# Altium PCB Archimajor.PcbDoc (part 8 of 12) (continued)
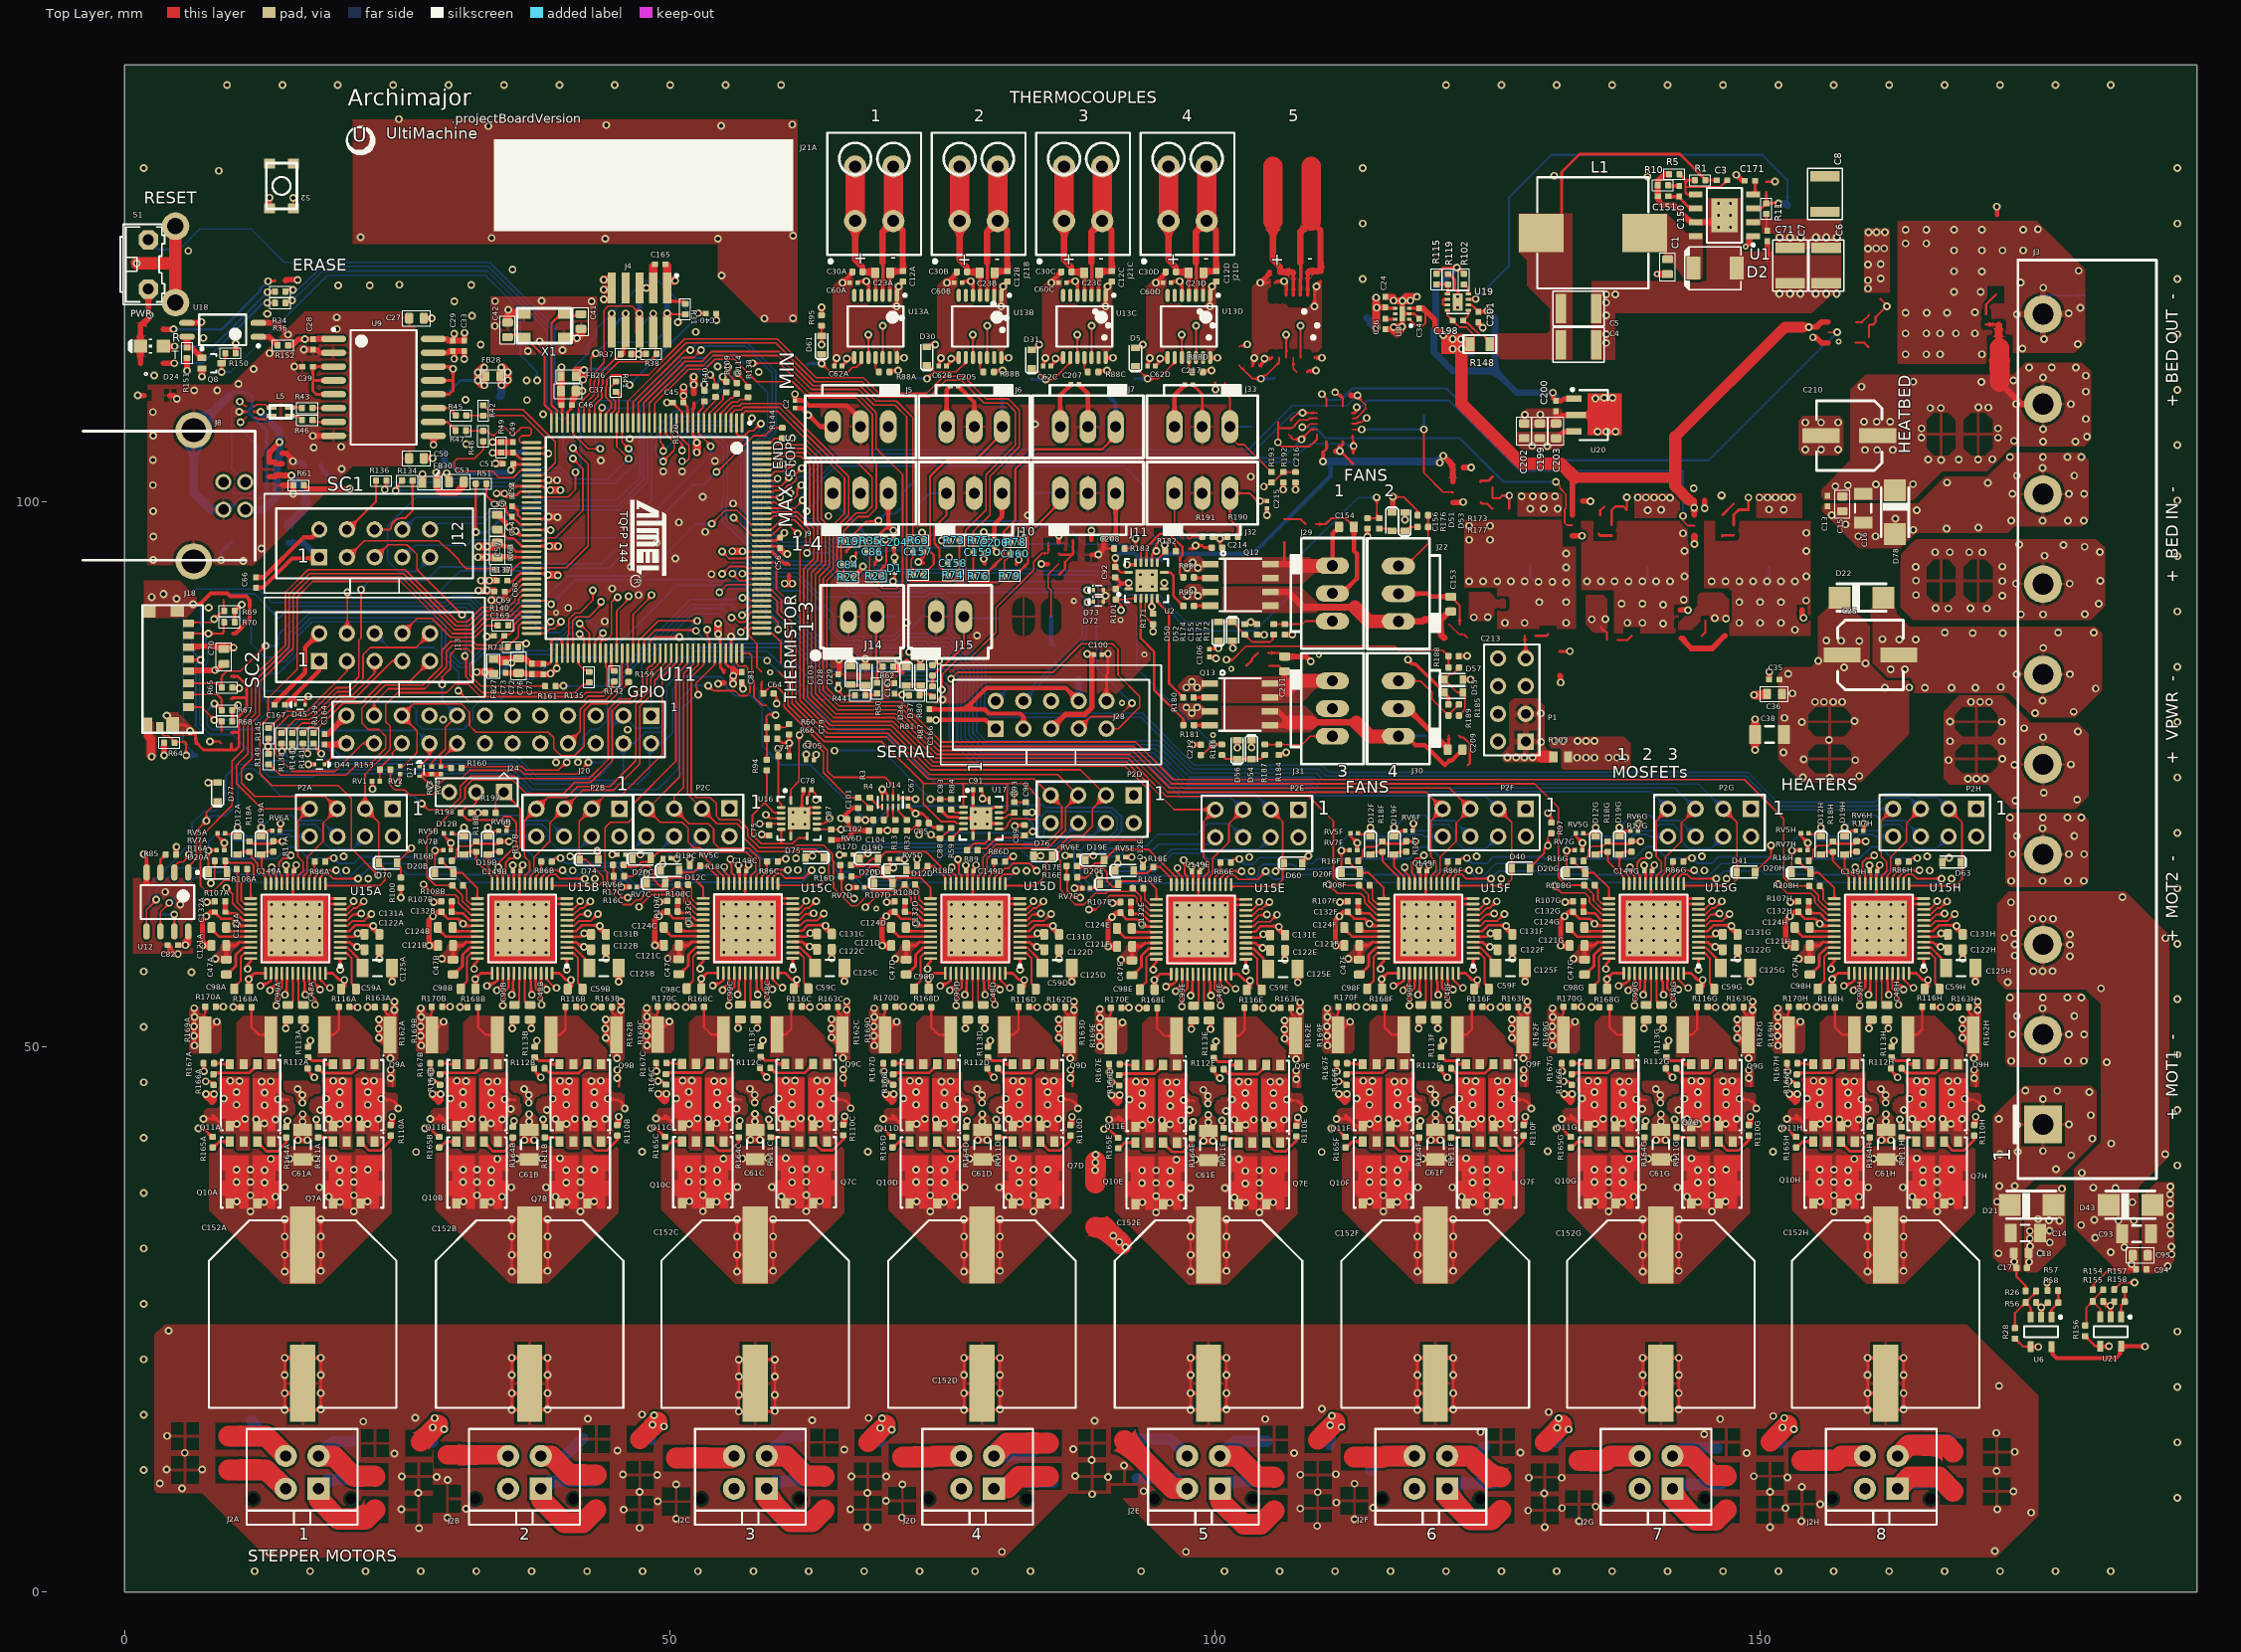
[diagram p0: Top Layer view]
## Nets (pads, with @x,y where several pads share a name; then routed paths per layer and width w, separated by ;. In a path a pad name is that pad's centre, name@x,y a point inside that pad or via, vN(x,y) a via of type N, cw(c..) or ccw(c..) an arc to the next point about the centre after c; other vN are vias at no path point) (continued)
  Top Layer w0.229: v1@34.741,53.799 v1(34.702,53.76) 34.702,54.377 34.796,54.471 34.796,55.009 35.207,55.421 U15B.40@35.207,56.735
  Top Layer w0.254: v1(35.558,51.677) 35.558,52.266 C99B.2@35.762,52.47
  Top Layer w1.778: 29.599,12.56 35.017,12.56 35.107,12.47 J2B.4@35.175,12.47
  Mid1 w0.254: v1@34.555,53.907 v1(34.702,53.76) 35.558,52.904 v1(35.558,51.677) 35.558,44.921 35.405,44.768 v1(35.405,44.286)
  Mid1 w2.54: v1@33.726,45.91 33.726,41.96 32.851,41.085 29.226,41.085 28.851,40.71 28.851,18.794 J2B.4@35.175,12.47
  Bottom Layer w1.016: TP41B.1@32.294,12.462 35.167,12.462 J2B.4@35.175,12.47
OAAC: C99C.2 J2C.4 Q10C.1 Q11C.7 TP41C.1 U15C.40 | length 73.6
  Top Layer w0.203: v1(53.547,43.362) 54.014,42.895 54.289,42.895 54.308,42.915 v1(54.308,42.984) ; Q11C.7@53.675,42.75 53.91,42.984 v1(54.308,42.984) ; v1(54.059,46.833) 54.063,46.837 v1(54.909,46.837) 54.334,46.262 v1(54.334,45.808) v1(54.334,44.658) 54.431,44.561 54.431,44.253 v1(55.322,43.362) 54.847,42.887 54.75,42.984 v1(54.308,42.984) ; v1(55.568,45.208) v1@55.62,45.155 ; v1(56.113,44.31) 55.646,44.777 55.646,45.129 v1@55.62,45.155 ; 56.52,45.103 56.467,45.155 v1@55.62,45.155
  Top Layer w0.229: v1@55.449,53.824 v1(55.41,53.784) 55.41,54.402 55.504,54.495 55.504,55.033 55.915,55.445 U15C.40@55.915,56.76
  Top Layer w0.254: v1(56.266,51.701) 56.266,52.29 C99C.2@56.47,52.495
  Top Layer w1.905: 50.58,12.296 55.675,12.296 55.849,12.47 J2C.4@55.883,12.47
  Mid1 w0.254: v1@55.263,53.931 v1(55.41,53.784) 56.266,52.928 v1(56.266,51.701) 56.266,44.945 56.113,44.793 v1(56.113,44.31)
  Mid1 w2.54: v1@54.434,45.934 54.434,41.984 53.559,41.109 49.934,41.109 49.559,40.734 49.559,18.794 J2C.4@55.883,12.47
  Bottom Layer w1.016: TP41C.1@52.224,12.363 55.776,12.363 J2C.4@55.883,12.47
OAAD: C99D.2 J2D.4 Q10D.1 Q11D.7 TP41D.1 U15D.40 | length 72.9
  Top Layer w0.203: v1(74.389,43.338) 74.856,42.871 75.131,42.871 75.15,42.89 v1(75.15,42.96) ; Q11D.7@74.517,42.725 74.752,42.96 v1(75.15,42.96) ; v1(74.901,46.808) 74.906,46.813 v1(75.751,46.813) 75.176,46.238 v1(75.176,45.783) v1(75.176,44.633) 75.273,44.536 75.273,44.229 v1(76.164,43.338) 75.689,42.863 75.592,42.96 v1(75.15,42.96) ; v1(76.41,45.183) v1@76.462,45.131 ; v1(76.955,44.286) 76.488,44.753 76.488,45.105 v1@76.462,45.131 ; 77.362,45.079 77.309,45.131 v1@76.462,45.131
  Top Layer w0.229: v1@76.291,53.799 v1(76.252,53.76) 76.252,54.377 76.346,54.471 76.346,55.009 76.757,55.421 U15D.40@76.757,56.735
  Top Layer w0.254: v1(77.108,51.677) 77.108,52.266 C99D.2@77.312,52.47
  Top Layer w1.905: 71.323,12.375 74.121,12.375 74.216,12.47 J2D.4@76.725,12.47
  Mid1 w0.254: v1@76.105,53.907 v1(76.252,53.76) 77.108,52.904 v1(77.108,51.677) 77.108,44.921 76.955,44.768 v1(76.955,44.286)
  Mid1 w2.54: v1@75.276,45.91 75.276,41.96 74.401,41.085 70.776,41.085 70.401,40.71 70.401,18.794 J2D.4@76.725,12.47
  Bottom Layer w1.016: TP41D.1@73.72,12.482 76.714,12.482 J2D.4@76.725,12.47
OAAE: C99E.2 J2E.4 Q10E.1 Q11E.7 TP41E.1 U15E.40 | length 72.7
  Top Layer w0.203: v1(95.097,43.262) 95.564,42.795 95.839,42.795 95.858,42.815 v1(95.858,42.884) ; Q11E.7@95.225,42.65 95.46,42.884 v1(95.858,42.884) ; v1(95.609,46.733) 95.613,46.737 v1(96.459,46.737) 95.884,46.162 v1(95.884,45.708) v1(95.884,44.558) 95.981,44.461 95.981,44.153 v1(96.872,43.262) 96.397,42.787 96.3,42.884 v1(95.858,42.884) ; v1(97.118,45.108) v1@97.17,45.055 ; v1(97.663,44.21) 97.196,44.677 97.196,45.029 v1@97.17,45.055 ; 98.07,45.003 98.017,45.055 v1@97.17,45.055
  Top Layer w0.229: v1@96.999,53.724 v1(96.96,53.684) 96.96,54.302 97.054,54.395 97.054,54.933 97.465,55.345 U15E.40@97.465,56.66
  Top Layer w0.254: v1(97.816,51.601) 97.816,52.19 C99E.2@98.02,52.395
  Top Layer w1.905: 89.015,33.463 89.066,33.413 89.897,33.413 v1@91.413,31.897
  Mid1 w0.254: v1@96.813,53.831 v1(96.96,53.684) 97.816,52.828 v1(97.816,51.601) 97.816,44.845 97.663,44.693 v1(97.663,44.21)
  Mid1 w2.54: v1@95.984,45.834 95.984,41.884 95.109,41.009 91.484,41.009 91.109,40.634 91.109,18.794 J2E.4@97.433,12.47
  Bottom Layer w1.016: TP41E.1@92.819,14.007 95.896,14.007 J2E.4@97.433,12.47
  other v1: 91.769,31.62 91.214,32.095 90.655,32.655
OAAF: C99F.2 J2F.4 Q10F.1 Q11F.7 TP41F.1 U15F.40 | length 74.6
  Top Layer w0.203: v1(115.939,43.338) 116.406,42.871 116.681,42.871 116.7,42.89 v1(116.7,42.96) ; Q11F.7@116.067,42.725 116.302,42.96 v1(116.7,42.96) ; v1(116.451,46.808) 116.456,46.813 v1(117.301,46.813) 116.726,46.238 v1(116.726,45.783) v1(116.726,44.633) 116.823,44.536 116.823,44.229 v1(117.714,43.338) 117.239,42.863 117.142,42.96 v1(116.7,42.96) ; v1(117.96,45.183) v1@118.012,45.131 ; v1(118.505,44.286) 118.038,44.753 118.038,45.105 v1@118.012,45.131 ; 118.912,45.079 118.859,45.131 v1@118.012,45.131
  Top Layer w0.229: v1@117.841,53.799 v1(117.802,53.76) 117.802,54.377 117.896,54.471 117.896,55.009 118.307,55.421 U15F.40@118.307,56.735
  Top Layer w0.254: v1(118.658,51.677) 118.658,52.266 C99F.2@118.862,52.47
  Top Layer w1.905: 112.77,12.361 115.463,12.361 115.571,12.47 J2F.4@118.275,12.47
  Mid1 w0.254: v1@117.655,53.907 v1(117.802,53.76) 118.658,52.904 v1(118.658,51.677) 118.658,44.921 118.505,44.768 v1(118.505,44.286)
  Mid1 w2.54: v1@116.826,45.91 116.826,41.96 115.951,41.085 112.326,41.085 111.951,40.71 111.951,18.794 J2F.4@118.275,12.47
  Bottom Layer w1.016: TP41F.1@114.216,11.134 115.552,12.47 J2F.4@118.275,12.47
OAAG: C99G.2 J2G.4 Q10G.1 Q11G.7 TP41G.1 U15G.40 | length 74
  Top Layer w0.203: v1(136.589,43.338) 137.056,42.871 137.331,42.871 137.35,42.89 v1(137.35,42.96) ; Q11G.7@136.718,42.725 136.952,42.96 v1(137.35,42.96) ; v1(137.101,46.808) 137.106,46.813 v1(137.951,46.813) 137.376,46.238 v1(137.376,45.783) v1(137.376,44.633) 137.473,44.536 137.473,44.229 v1(138.364,43.338) 137.889,42.863 137.792,42.96 v1(137.35,42.96) ; v1(138.61,45.183) v1@138.662,45.131 ; v1(139.156,44.286) 138.689,44.753 138.689,45.105 v1@138.662,45.131 ; 139.562,45.079 139.51,45.131 v1@138.662,45.131
  Top Layer w0.229: v1@138.492,53.799 v1(138.452,53.76) 138.452,54.377 138.546,54.471 138.546,55.009 138.958,55.421 U15G.40@138.958,56.735
  Top Layer w0.254: v1(139.308,51.677) 139.308,52.266 C99G.2@139.513,52.47
  Top Layer w1.905: 133.355,12.045 135.81,12.045 136.235,12.47 J2G.4@138.926,12.47
  Mid1 w0.254: v1@138.305,53.907 v1(138.452,53.76) 139.308,52.904 v1(139.308,51.677) 139.308,44.921 139.156,44.768 v1(139.156,44.286)
  Mid1 w2.54: v1@137.476,45.91 137.476,41.96 136.601,41.085 132.976,41.085 132.601,40.71 132.601,18.794 J2G.4@138.926,12.47
  Bottom Layer w1.016: TP41G.1@135.118,12.422 138.878,12.422 J2G.4@138.926,12.47
OAAH: C99H.2 J2H.4 Q10H.1 Q11H.7 TP41H.1 U15H.40 | length 73.9
  Top Layer w0.203: v1(157.239,43.338) 157.706,42.871 157.981,42.871 158,42.89 v1(158,42.96) ; Q11H.7@157.368,42.725 157.602,42.96 v1(158,42.96) ; v1(157.751,46.808) 157.756,46.813 v1(158.601,46.813) 158.026,46.238 v1(158.026,45.783) v1(158.026,44.633) 158.124,44.536 158.124,44.229 v1(159.014,43.338) 158.539,42.863 158.442,42.96 v1(158,42.96) ; v1(159.26,45.183) v1@159.313,45.131 ; v1(159.806,44.286) 159.339,44.753 159.339,45.105 v1@159.313,45.131 ; 160.212,45.079 160.16,45.131 v1@159.313,45.131
  Top Layer w0.229: v1@159.142,53.799 v1(159.102,53.76) 159.102,54.377 159.196,54.471 159.196,55.009 159.608,55.421 U15H.40@159.608,56.735
  Top Layer w0.254: v1(159.958,51.677) 159.958,52.266 C99H.2@160.163,52.47
  Top Layer w1.905: 153.781,12.064 157.009,12.064 157.414,12.47 J2H.4@159.576,12.47
  Mid1 w0.254: v1@158.956,53.907 v1(159.102,53.76) 159.958,52.904 v1(159.958,51.677) 159.958,44.921 159.806,44.768 v1(159.806,44.286)
  Mid1 w2.54: v1@158.126,45.91 158.126,41.96 157.251,41.085 153.626,41.085 153.251,40.71 153.251,18.794 J2H.4@159.576,12.47
  Bottom Layer w1.016: TP41H.1@156.138,12.66 156.207,12.66 156.397,12.47 J2H.4@159.576,12.47
OABA: C98A.2 J2A.3 Q10A.3 Q11A.5 TP34A.1 U15A.37 | length 38.7
  Top Layer w0.203: v1(9.1,45.235) 9.129,45.264 9.599,45.264 v1@10.264,45.928 ; Q11A.5@9.652,42.725 10.391,42.725 v1(11.051,43.385) 10.264,44.172 v1(10.264,44.68) v1(10.264,45.83) v1@10.264,45.928 ; v1(9.689,46.86) 9.691,46.858 10.536,46.858 v1(10.539,46.855) 10.539,46.203 v1@10.264,45.928
  Top Layer w0.229: 12.7,56.732 U15A.37@12.932,56.735
  Top Layer w0.254: v1(7.25,43.387) 8.379,43.387 8.724,43.042 ; 8.037,43.574 8.115,43.651 ; C98A.2@11.417,55.3 11.387,55.33 v1(11.387,56.2) 11.387,56.225 11.897,56.735 12.7,56.732
  Top Layer w0.356: 8.115,43.651 8.379,43.387
  Top Layer w1.905: 9.548,11.193 12.996,11.193 13.892,10.298 13.929,10.298 14.757,9.47 J2A.3@14.791,9.47
  Mid1 w0.254: v1(7.25,43.387) 7.123,43.387 6.477,44.033 6.477,48.273 11.387,53.184 v1(11.387,56.2)
  Bottom Layer w1.016: TP34A.1@10.5,10.837 13.424,10.837 J2A.3@14.791,9.47
  other v1: 10.301,42.91
OABB: C98B.2 J2B.3 Q10B.3 Q11B.5 TP34B.1 U15B.37 | length 31.7
  Top Layer w0.203: v1(29.875,45.235) 29.904,45.264 30.374,45.264 v1@31.039,45.928 ; Q11B.5@30.427,42.725 31.166,42.725 v1(31.826,43.385) 31.039,44.172 v1(31.039,44.68) v1(31.039,45.83) v1@31.039,45.928 ; v1(30.464,46.86) 30.466,46.858 31.311,46.858 v1(31.314,46.855) 31.314,46.203 v1@31.039,45.928
  Top Layer w0.229: 33.475,56.732 U15B.37@33.707,56.735
  Top Layer w0.254: v1(28.025,43.387) 29.154,43.387 29.499,43.042 ; 28.812,43.574 28.89,43.651 ; C98B.2@32.192,55.3 32.162,55.33 v1(32.162,56.2) 32.162,56.225 32.672,56.735 33.475,56.732
  Top Layer w0.356: 28.89,43.651 29.154,43.387
  Top Layer w1.778: 27.138,13.745 28.767,15.374
  Top Layer w1.905: J2B.3@35.141,9.47 J2B.3@35.175,9.47
  Mid1 w0.254: v1(28.025,43.387) 27.898,43.387 27.252,44.033 27.252,48.273 32.162,53.184 v1(32.162,56.2)
  Bottom Layer w1.016: TP34B.1@28.212,13.71 28.261,13.759 28.261,13.938 28.272,13.949 v1(28.272,15.077)
  other v1: 29.322,14.918 28.43,15.949 31.076,42.91
OABC: C98C.2 J2C.3 Q10C.3 Q11C.5 TP34C.1 U15C.37 | length 32.9
  Top Layer w0.203: 47.27,14.001 47.645,13.626 ; 47.645,14.313 47.645,13.626 ; 47.67,13.601 47.645,13.626 ; v1(50.583,45.259) 50.611,45.288 51.082,45.288 v1@51.747,45.953 ; Q11C.5@51.135,42.75 51.874,42.75 v1(52.534,43.409) 51.747,44.197 v1(51.747,44.705) v1(51.747,45.855) v1@51.747,45.953 ; v1(51.172,46.884) 51.174,46.882 52.019,46.882 v1(52.022,46.88) 52.022,46.228 v1@51.747,45.953
  Top Layer w0.229: 54.183,56.756 U15C.37@54.415,56.76
  Top Layer w0.254: v1(48.733,43.411) 49.862,43.411 50.207,43.066 ; 49.52,43.598 49.597,43.676 ; C98C.2@52.9,55.325 52.87,55.355 v1(52.87,56.225) 52.87,56.25 53.38,56.76 54.183,56.756
  Top Layer w0.356: 49.597,43.676 49.862,43.411
  Top Layer w1.778: 47.27,14.001 48.9,15.63
  Mid1 w0.254: v1(48.733,43.411) 48.606,43.411 47.96,44.057 47.96,48.298 52.87,53.208 v1(52.87,56.225)
  Bottom Layer w1.016: TP34C.1@48.282,13.987 48.282,15.21 v1(48.404,15.333)
  other v1: 49.454,15.174 48.563,16.204 51.784,42.934
OABD: C98D.2 J2D.3 Q10D.3 Q11D.5 TP34D.1 U15D.37 | length 31.5
  Top Layer w0.203: v1(71.425,45.235) 71.454,45.264 71.924,45.264 v1@72.589,45.928 ; Q11D.5@71.977,42.725 72.716,42.725 v1(73.376,43.385) 72.589,44.172 v1(72.589,44.68) v1(72.589,45.83) v1@72.589,45.928 ; v1(72.014,46.86) 72.016,46.858 72.861,46.858 v1(72.864,46.855) 72.864,46.203 v1@72.589,45.928
  Top Layer w0.229: 75.025,56.732 U15D.37@75.257,56.735
  Top Layer w0.254: v1(69.575,43.387) 70.704,43.387 71.049,43.042 ; 70.362,43.574 70.44,43.651 ; C98D.2@73.742,55.3 73.712,55.33 v1(73.712,56.2) 73.712,56.225 74.222,56.735 75.025,56.732
  Top Layer w0.356: 70.44,43.651 70.704,43.387
  Top Layer w1.778: 68.172,13.71 69.801,15.339
  Top Layer w1.905: J2D.3@76.691,9.47 J2D.3@76.725,9.47
  Mid1 w0.254: v1(69.575,43.387) 69.448,43.387 68.802,44.033 68.802,48.273 73.712,53.184 v1(73.712,56.2)
  Bottom Layer w1.016: TP34D.1@69.306,13.789 v1(69.306,15.042)
  other v1: 70.356,14.883 69.464,15.914 72.626,42.91
OABE: C98E.2 J2E.3 Q10E.3 Q11E.5 TP34E.1 U15E.37 | length 40.5
  Top Layer w0.203: v1(92.133,45.159) 92.161,45.188 92.632,45.188 v1@93.297,45.853 ; Q11E.5@92.685,42.65 93.424,42.65 v1(94.084,43.309) 93.297,44.097 v1(93.297,44.605) v1(93.297,45.755) v1@93.297,45.853 ; v1(92.722,46.784) 92.724,46.782 93.569,46.782 v1(93.572,46.78) 93.572,46.128 v1@93.297,45.853
  Top Layer w0.229: 95.733,56.656 U15E.37@95.965,56.66
  Top Layer w0.254: v1(90.283,43.311) 91.412,43.311 91.757,42.966 ; 91.07,43.498 91.147,43.576 ; C98E.2@94.45,55.225 94.42,55.255 v1(94.42,56.125) 94.42,56.15 94.93,56.66 95.733,56.656
  Top Layer w0.356: 91.147,43.576 91.412,43.311
  Top Layer w1.905: 91.69,13.887 96.083,9.494 97.375,9.494 97.399,9.47 J2E.3@97.433,9.47
  Mid1 w0.254: v1(90.283,43.311) 90.156,43.311 89.51,43.957 89.51,48.198 94.42,53.108 v1(94.42,56.125)
  Bottom Layer w1.016: TP34E.1@92.819,10.401 96.33,10.401 97.262,9.47 J2E.3@97.433,9.47
  other v1: 93.334,42.834
OABF: C98F.2 J2F.3 Q10F.3 Q11F.5 TP34F.1 U15F.37 | length 33.1
  Top Layer w0.203: v1(112.975,45.235) 113.004,45.264 113.474,45.264 v1@114.139,45.928 ; Q11F.5@113.527,42.725 114.266,42.725 v1(114.926,43.385) 114.139,44.172 v1(114.139,44.68) v1(114.139,45.83) v1@114.139,45.928 ; v1(113.564,46.86) 113.566,46.858 114.411,46.858 v1(114.414,46.855) 114.414,46.203 v1@114.139,45.928
  Top Layer w0.229: 116.575,56.732 U15F.37@116.807,56.735
  Top Layer w0.254: v1(111.125,43.387) 112.254,43.387 112.915,42.725 Q11F.5@113.527,42.725 ; 111.912,43.574 111.99,43.651 ; C98F.2@115.292,55.3 115.262,55.33 v1(115.262,56.2) 115.262,56.225 115.772,56.735 116.575,56.732
  Top Layer w0.356: 111.99,43.651 112.254,43.387
  Top Layer w1.778: 109.407,13.947 111.037,15.576
  Mid1 w0.254: v1(111.125,43.387) 110.998,43.387 110.352,44.033 110.352,48.273 115.262,53.184 v1(115.262,56.2)
  Bottom Layer w1.016: TP34F.1@110.511,13.512 110.541,13.542 v1(110.541,15.279)
  other v1: 111.591,15.121 110.7,16.151 114.176,42.91
OABG: C98G.2 J2G.3 Q10G.3 Q11G.5 TP34G.1 U15G.37 | length 31.6
  Top Layer w0.203: v1(133.625,45.235) 133.654,45.264 134.124,45.264 v1@134.789,45.928 ; Q11G.5@134.178,42.725 134.917,42.725 v1(135.576,43.385) 134.789,44.172 v1(134.789,44.68) v1(134.789,45.83) v1@134.789,45.928 ; v1(134.214,46.86) 134.216,46.858 135.062,46.858 v1(135.064,46.855) 135.064,46.203 v1@134.789,45.928
  Top Layer w0.229: 137.225,56.732 U15G.37@137.458,56.735
  Top Layer w0.254: v1(131.776,43.387) 132.904,43.387 133.249,43.042 ; 132.563,43.574 132.64,43.651 ; C98G.2@135.943,55.3 135.913,55.33 v1(135.913,56.2) 135.913,56.225 136.423,56.735 137.225,56.732
  Top Layer w0.356: 132.64,43.651 132.904,43.387
  Top Layer w1.778: 130.21,13.729 131.839,15.359
  Mid1 w0.254: v1(131.776,43.387) 131.649,43.387 131.002,44.033 131.002,48.273 135.913,53.184 v1(135.913,56.2)
  Bottom Layer w1.016: TP34G.1@131.215,13.71 131.215,13.779 131.344,13.908 v1(131.344,15.061)
  other v1: 132.394,14.903 131.502,15.933 134.826,42.91
OABH: C98H.2 J2H.3 Q10H.3 Q11H.5 TP34H.1 U15H.37 | length 31.7
  Top Layer w0.203: v1(154.275,45.235) 154.304,45.264 154.774,45.264 v1@155.439,45.928 ; Q11H.5@154.828,42.725 155.567,42.725 v1(156.226,43.385) 155.439,44.172 v1(155.439,44.68) v1(155.439,45.83) v1@155.439,45.928 ; v1(154.864,46.86) 154.867,46.858 155.712,46.858 v1(155.714,46.855) 155.714,46.203 v1@155.439,45.928
  Top Layer w0.229: 157.875,56.732 U15H.37@158.108,56.735
  Top Layer w0.254: v1(152.426,43.387) 153.555,43.387 153.9,43.042 ; 153.213,43.574 153.29,43.651 ; C98H.2@156.593,55.3 156.563,55.33 v1(156.563,56.2) 156.563,56.225 157.073,56.735 157.875,56.732
  Top Layer w0.356: 153.29,43.651 153.555,43.387
  Top Layer w1.778: 150.874,13.749 152.503,15.378
  Mid1 w0.254: v1(152.426,43.387) 152.299,43.387 151.652,44.033 151.652,48.273 156.563,53.184 v1(156.563,56.2)
  Bottom Layer w1.016: TP34H.1@151.899,13.65 151.899,14.972 v1(152.008,15.081)
  other v1: 153.058,14.923 152.166,15.953 155.476,42.91
OBAA: C59A.2 J2A.2 Q7A.1 Q9A.7 TP3A.1 U15A.48 | length 37.6
  Top Layer w0.203: v1@21.525,43.338 21.992,42.871 22.267,42.871 v1@22.275,42.863 ; Q9A.7@21.654,42.725 21.791,42.863 v1@22.275,42.863 ; v1@22.037,46.808 22.042,46.813 22.887,46.813 22.312,46.238 22.312,44.633 22.409,44.536 22.409,44.229 23.3,43.338 22.825,42.863 v1@22.275,42.863 ; v1@23.546,45.183 v1@23.598,45.131 ; v1@23.625,45.105 v1@23.598,45.131 ; 24.446,45.131 v1@23.598,45.131
  Top Layer w0.229: U15A.48@18.432,56.735 18.716,56.735
  Top Layer w0.254: 18.716,56.735 19.097,56.735 19.71,56.122 v1(20.168,56.122) ; 24.562,45.003 24.68,45.003 24.922,44.761 24.922,44.643 25.013,44.552 25.013,44.422 v1(25.1,44.335)
  Top Layer w0.406: C59A.2@19.869,55.284 20.168,55.583 v1(20.168,56.122)
  Top Layer w1.905: J2A.2@17.791,12.47 17.815,12.445 19.174,12.445 20.99,10.63 22.932,10.63 22.983,10.58
  Mid1 w0.254: v1(20.168,56.122) 20.168,52.942 23.025,50.085 24.975,50.085 25.55,49.51 25.55,44.91 25.1,44.46 v1(25.1,44.335)
  Bottom Layer w1.016: J2A.2@17.791,12.47 19.111,13.789 TP3A.1@20.882,13.789
  other v1: 22.275,42.91 21.525,43.385 23.3,43.385 22.312,44.68 23.546,45.23 22.312,45.83 22.037,46.855 22.887,46.86
OBAB: C59B.2 J2B.2 Q7B.1 Q9B.7 TP3B.1 U15B.48 | length 38.4
  Top Layer w0.203: v1@42.3,43.338 42.767,42.871 43.042,42.871 v1@43.05,42.863 ; Q9B.7@42.429,42.725 42.566,42.863 v1@43.05,42.863 ; v1@42.812,46.808 42.817,46.813 43.662,46.813 43.087,46.238 43.087,44.633 43.184,44.536 43.184,44.229 44.075,43.338 43.6,42.863 v1@43.05,42.863 ; v1@44.321,45.183 v1@44.373,45.131 ; v1@44.4,45.105 v1@44.373,45.131 ; 45.221,45.131 v1@44.373,45.131
  Top Layer w0.229: U15B.48@39.207,56.735 39.491,56.735
  Top Layer w0.254: 39.491,56.735 39.872,56.735 40.485,56.122 v1(40.943,56.122) ; 45.337,45.003 45.455,45.003 45.697,44.761 45.697,44.643 45.788,44.552 45.788,44.422 v1(45.875,44.335)
  Top Layer w0.406: C59B.2@40.644,55.284 40.943,55.583 v1(40.943,56.122)
  Top Layer w1.905: J2B.2@38.175,12.47 38.2,12.445 39.145,12.445 40.852,10.738 43.251,10.738
  Mid1 w0.254: v1(40.943,56.122) 40.943,52.942 43.8,50.085 45.75,50.085 46.325,49.51 46.325,44.91 45.875,44.46 v1(45.875,44.335)
  Bottom Layer w1.016: J2B.2@38.175,12.47 40.385,12.47 TP3B.1@42.021,14.106
  other v1: 43.05,42.91 42.3,43.385 44.075,43.385 43.087,44.68 44.321,45.23 43.087,45.83 42.812,46.855 43.662,46.86
OBAC: C59C.2 J2C.2 Q7C.1 Q9C.7 TP3C.1 U15C.48 | length 38.1
  Top Layer w0.203: v1@63.008,43.362 63.475,42.895 63.75,42.895 v1@63.758,42.887 ; Q9C.7@63.136,42.75 63.274,42.887 v1@63.758,42.887 ; v1@63.52,46.833 63.525,46.837 64.37,46.837 63.795,46.262 63.795,44.658 63.892,44.561 63.892,44.253 64.783,43.362 64.308,42.887 v1@63.758,42.887 ; v1@65.029,45.208 v1@65.081,45.155 ; v1@65.108,45.129 v1@65.081,45.155 ; 65.929,45.155 v1@65.081,45.155
  Top Layer w0.229: U15C.48@59.915,56.76 60.199,56.76
  Top Layer w0.254: 60.199,56.76 60.58,56.76 61.193,56.146 v1(61.65,56.146) ; 66.045,45.027 66.163,45.027 66.405,44.786 66.405,44.667 66.495,44.576 66.495,44.447 v1(66.583,44.359)
  Top Layer w0.406: C59C.2@61.351,55.308 61.65,55.607 v1(61.65,56.146)
  Top Layer w1.905: J2C.2@58.883,12.47 60.656,12.47 62.476,10.65 64.115,10.65 64.165,10.599
  Mid1 w0.254: v1(61.65,56.146) 61.65,52.967 64.508,50.109 66.458,50.109 67.033,49.534 67.033,44.934 66.583,44.484 v1(66.583,44.359)
  Bottom Layer w1.016: J2C.2@58.883,12.47 60.678,14.265 TP3C.1@62.15,14.265
  other v1: 63.758,42.934 63.008,43.409 64.783,43.409 63.795,44.705 65.029,45.255 63.795,45.855 63.52,46.88 64.37,46.884
OBAD: C59D.2 J2D.2 Q7D.1 Q9D.7 TP3D.1 U15D.48 | length 39.1
  Top Layer w0.203: v1@83.85,43.338 84.317,42.871 84.592,42.871 v1@84.6,42.863 ; Q9D.7@83.979,42.725 84.116,42.863 v1@84.6,42.863 ; v1@84.362,46.808 84.367,46.813 85.212,46.813 84.637,46.238 84.637,44.633 84.734,44.536 84.734,44.229 85.625,43.338 85.15,42.863 v1@84.6,42.863 ; v1@85.871,45.183 v1@85.923,45.131 ; v1@85.95,45.105 v1@85.923,45.131 ; 86.771,45.131 v1@85.923,45.131
  Top Layer w0.229: U15D.48@80.757,56.735 81.041,56.735
  Top Layer w0.254: 81.041,56.735 81.422,56.735 82.035,56.122 v1(82.493,56.122) ; 86.887,45.003 87.005,45.003 87.247,44.761 87.247,44.643 87.338,44.552 87.338,44.422 v1(87.425,44.335)
  Top Layer w0.406: C59D.2@82.194,55.284 82.493,55.583 v1(82.493,56.122)
  Top Layer w1.905: J2D.2@79.725,12.47 80.906,13.65 84.717,13.65
  Mid1 w0.254: v1(82.493,56.122) 82.493,52.942 85.35,50.085 87.3,50.085 87.875,49.51 87.875,44.91 87.425,44.46 v1(87.425,44.335)
  Bottom Layer w1.016: J2D.2@79.725,12.47 82.921,12.47 TP3D.1@84.617,14.166
  other v1: 84.6,42.91 83.85,43.385 85.625,43.385 84.637,44.68 85.871,45.23 84.637,45.83 84.362,46.855 85.212,46.86
OBAE: C59E.2 J2E.2 Q7E.1 Q9E.7 TP3E.1 U15E.48 | length 38.7
  Top Layer w0.203: v1@104.558,43.262 105.025,42.795 105.3,42.795 v1@105.308,42.787 ; Q9E.7@104.686,42.65 104.824,42.787 v1@105.308,42.787 ; v1@105.07,46.733 105.075,46.737 105.92,46.737 105.345,46.162 105.345,44.558 105.442,44.461 105.442,44.153 106.333,43.262 105.858,42.787 v1@105.308,42.787 ; v1@106.579,45.108 v1@106.631,45.055 ; v1@106.657,45.029 v1@106.631,45.055 ; 107.479,45.055 v1@106.631,45.055
  Top Layer w0.229: U15E.48@101.465,56.66 101.749,56.66
  Top Layer w0.254: 101.749,56.66 102.13,56.66 102.743,56.046 v1(103.2,56.046) ; 107.595,44.927 107.713,44.927 107.955,44.686 107.955,44.567 108.045,44.476 108.045,44.347 v1(108.133,44.259)
  Top Layer w0.406: C59E.2@102.901,55.208 103.2,55.507 v1(103.2,56.046)
  Top Layer w1.905: J2E.2@100.433,12.47 100.458,12.445 102.008,12.445 103.923,10.531 105.35,10.531 105.401,10.48
  Mid1 w0.254: v1(103.2,56.046) 103.2,52.867 106.058,50.009 108.008,50.009 108.583,49.434 108.583,44.834 108.133,44.384 v1(108.133,44.259)
  Bottom Layer w1.016: J2E.2@100.433,12.47 101.772,13.809 TP3E.1@104.766,13.809
  other v1: 105.308,42.834 104.558,43.309 106.333,43.309 105.345,44.605 106.579,45.155 105.345,45.755 105.07,46.78 105.92,46.784
OBAF: C59F.2 J2F.2 Q7F.1 Q9F.7 TP3F.1 U15F.48 | length 37.6
  Top Layer w0.203: v1@125.4,43.338 125.867,42.871 126.142,42.871 v1@126.15,42.863 ; Q9F.7@125.529,42.725 125.666,42.863 v1@126.15,42.863 ; v1@125.912,46.808 125.917,46.813 126.762,46.813 126.187,46.238 126.187,44.633 126.284,44.536 126.284,44.229 127.175,43.338 126.7,42.863 v1@126.15,42.863 ; v1@127.421,45.183 v1@127.473,45.131 ; v1@127.5,45.105 v1@127.473,45.131 ; 128.321,45.131 v1@127.473,45.131
  Top Layer w0.229: U15F.48@122.307,56.735 122.591,56.735
  Top Layer w0.254: 122.591,56.735 122.972,56.735 123.585,56.122 v1(124.043,56.122) ; 128.437,45.003 128.555,45.003 128.797,44.761 128.797,44.643 128.888,44.552 128.888,44.422 v1(128.975,44.335)
  Top Layer w0.406: C59F.2@123.744,55.284 124.043,55.583 v1(124.043,56.122)
  Top Layer w1.905: J2F.2@121.275,12.47 123.401,12.47 125.3,10.571 126.153,10.571 126.203,10.52
  Mid1 w0.254: v1(124.043,56.122) 124.043,52.942 126.9,50.085 128.85,50.085 129.425,49.51 129.425,44.91 128.975,44.46 v1(128.975,44.335)
  Bottom Layer w1.016: J2F.2@121.275,12.47 123.873,12.47 TP3F.1@124.717,13.314
  other v1: 126.15,42.91 125.4,43.385 127.175,43.385 126.187,44.68 127.421,45.23 126.187,45.83 125.912,46.855 126.762,46.86
OBAG: C59G.2 J2G.2 Q7G.1 Q9G.7 TP3G.1 U15G.48 | length 38.1
  Top Layer w0.203: v1@146.05,43.338 146.517,42.871 146.792,42.871 v1@146.8,42.863 ; Q9G.7@146.179,42.725 146.316,42.863 v1@146.8,42.863 ; v1@146.562,46.808 146.567,46.813 147.412,46.813 146.837,46.238 146.837,44.633 146.935,44.536 146.935,44.229 147.825,43.338 147.35,42.863 v1@146.8,42.863 ; v1@148.071,45.183 v1@148.124,45.131 ; v1@148.15,45.105 v1@148.124,45.131 ; 148.971,45.131 v1@148.124,45.131
  Top Layer w0.229: U15G.48@142.958,56.735 143.241,56.735
  Top Layer w0.254: 143.241,56.735 143.622,56.735 144.236,56.122 v1(144.693,56.122) ; 149.087,45.003 149.206,45.003 149.447,44.761 149.447,44.643 149.538,44.552 149.538,44.422 v1(149.625,44.335)
  Top Layer w0.406: C59G.2@144.394,55.284 144.693,55.583 v1(144.693,56.122)
  Top Layer w1.905: J2G.2@141.926,12.47 143.748,12.47 145.548,10.67 146.817,10.67 146.867,10.619
  Mid1 w0.254: v1(144.693,56.122) 144.693,52.942 147.55,50.085 149.5,50.085 150.075,49.51 150.075,44.91 149.625,44.46 v1(149.625,44.335)
  Bottom Layer w1.016: J2G.2@141.926,12.47 142.201,12.47 142.945,13.215 TP3G.1@146.014,13.215
  other v1: 146.8,42.91 146.05,43.385 147.825,43.385 146.837,44.68 148.071,45.23 146.837,45.83 146.562,46.855 147.412,46.86
OBAH: C59H.2 J2H.2 Q7H.1 Q9H.7 TP3H.1 U15H.48 | length 39.3
  Top Layer w0.203: v1@166.7,43.338 167.167,42.871 167.442,42.871 v1@167.45,42.863 ; Q9H.7@166.829,42.725 166.967,42.863 v1@167.45,42.863 ; v1@167.213,46.808 167.217,46.813 168.063,46.813 167.488,46.238 167.488,44.633 167.585,44.536 167.585,44.229 168.475,43.338 168,42.863 v1@167.45,42.863 ; v1@168.721,45.183 v1@168.774,45.131 ; v1@168.8,45.105 v1@168.774,45.131 ; 169.621,45.131 v1@168.774,45.131
  Top Layer w0.229: U15H.48@163.608,56.735 163.891,56.735
  Top Layer w0.254: 163.891,56.735 164.272,56.735 164.886,56.122 v1(165.343,56.122) ; 169.737,45.003 169.856,45.003 170.097,44.761 170.097,44.643 170.188,44.552 170.188,44.422 v1(170.275,44.335)
  Top Layer w0.406: C59H.2@165.044,55.284 165.343,55.583 v1(165.343,56.122)
  Top Layer w1.905: J2H.2@162.576,12.47 162.61,12.47 163.593,13.452 167.055,13.452 167.67,12.838
  Mid1 w0.254: v1(165.343,56.122) 165.343,52.942 168.2,50.085 170.15,50.085 170.725,49.51 170.725,44.91 170.275,44.46 v1(170.275,44.335)
  Bottom Layer w1.016: J2H.2@162.576,12.47 164.073,13.967 TP3H.1@167.471,13.967
  other v1: 167.45,42.91 166.7,43.385 168.475,43.385 167.488,44.68 168.721,45.23 167.488,45.83 167.213,46.855 168.063,46.86
OBBA: C48A.2 J2A.1 Q9A.5 TP12A.1 U15A.45 | length 79.7
  Top Layer w0.203: v1@18.561,45.235 18.59,45.264 19.06,45.264 v1@19.725,45.928 ; v1(18.737,43.385) 18.737,43.248 18.84,43.145 18.84,42.999 Q9A.5@19.114,42.725 19.853,42.725 v1(20.512,43.385) 19.725,44.172 v1(19.725,44.68) v1(19.725,45.83) v1@19.725,45.928 ; v1(19.15,46.86) 19.152,46.858 19.998,46.858 v1(20,46.855) 20,46.203 v1@19.725,45.928
  Top Layer w0.229: C48A.2@16.412,52.47 16.535,52.347 16.535,51.796 16.416,51.677 v1(16.535,51.677) ; U15A.45@16.932,56.735 16.932,55.359 17.253,55.038 17.253,54.617 17.475,54.395 v1(17.475,53.836)
  Top Layer w1.905: J2A.1@17.791,9.47 17.855,9.406 17.855,8.436 19.614,6.677 22.111,6.677 22.983,7.548
  Mid1 w0.254: v1(17.475,53.836) 17.012,53.373 17.012,52.153 v1(16.535,51.677) 16.535,51.245 16.383,51.093 16.383,50.23 16.739,49.875 16.739,46.827 17.678,45.887 17.678,44.463 v1(17.958,44.184) v1@18.034,44.108
  Mid1 w2.54: J2A.1@17.791,9.47 18.484,9.47 24.5,15.486 24.5,40.71 24.125,41.085 20.5,41.085 19.625,41.96 v1@19.625,45.91
  Bottom Layer w1.016: J2A.1@17.791,9.47 18.663,10.342 TP12A.1@22.427,10.342
  other v1: 19.762,42.91 18.491,45.23
OBBB: C48B.2 J2B.1 Q9B.5 TP12B.1 U15B.45 | length 80.1
  Top Layer w0.203: v1@39.336,45.235 39.365,45.264 39.835,45.264 v1@40.5,45.928 ; v1(39.512,43.385) 39.512,43.248 39.615,43.145 39.615,42.999 Q9B.5@39.889,42.725 40.628,42.725 v1(41.287,43.385) 40.5,44.172 v1(40.5,44.68) v1(40.5,45.83) v1@40.5,45.928 ; v1(39.925,46.86) 39.927,46.858 40.773,46.858 v1(40.775,46.855) 40.775,46.203 v1@40.5,45.928
  Top Layer w0.229: C48B.2@37.187,52.47 37.31,52.347 37.31,51.796 37.191,51.677 v1(37.31,51.677) ; U15B.45@37.707,56.735 37.707,55.359 38.028,55.038 38.028,54.617 38.25,54.395 v1(38.25,53.836)
  Top Layer w1.905: J2B.1@38.175,9.47 38.239,9.406 38.239,8.438 40.337,6.34 42.042,6.34 43.231,7.529
  Mid1 w0.254: v1(38.25,53.836) 37.787,53.373 37.787,52.153 v1(37.31,51.677) 37.31,51.245 37.158,51.093 37.158,50.23 37.514,49.875 37.514,46.827 38.453,45.887 38.453,44.463 v1(38.733,44.184) v1@38.809,44.108
  Mid1 w2.54: J2B.1@38.175,9.47 38.871,9.47 45.275,15.874 45.275,40.71 44.9,41.085 41.275,41.085 40.4,41.96 v1@40.4,45.91
  Bottom Layer w1.016: J2B.1@38.175,9.47 38.869,10.164 TP12B.1@42.992,10.164
  other v1: 40.537,42.91 39.266,45.23